# KiCad board armory.kicad_pcb (continued)
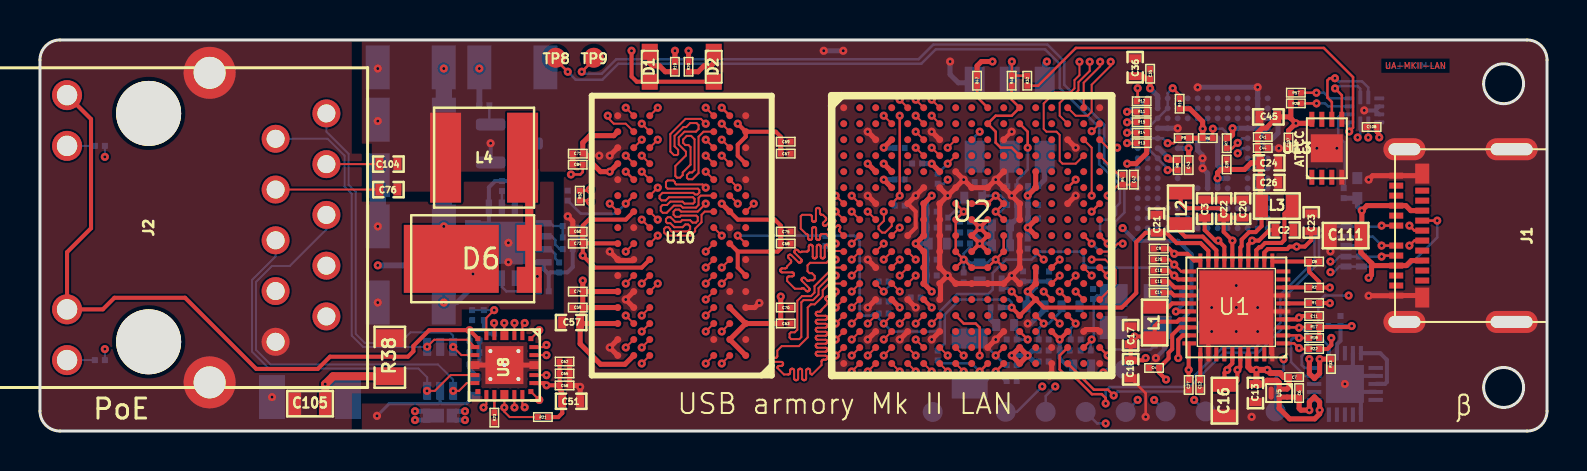
[diagram p0: board, top side]
## Routing (per net, layer and track width the routed paths; a pad name or vN(x,y) marks a point on that pad's centre or on a via; arc(x,y) is an arc through that point) (continued)
/DDR/DRAM_RESET_B: length 17.1
  TOP w0.1: U2.G4 v1(42.99,11.78)
  TOP w0.127: v1(42.99,11.78) v1(42.99,15.78) ; U10.T2 v1(34.09,16.18)
  SIGNAL_1 w0.127: v1(42.99,15.78) 42.59,15.38 41.24,15.38 40.99,15.13 40.99,13.98 40.78,13.77 39.01,13.77 36.6,16.18 v1(34.09,16.18)
  BOTTOM w0.127: v1(42.99,11.78) 42.74,11.53 R50.1
/DDR/DRAM_SDBA0: length 34
  TOP w0.1: U2.M1 39.47,7.38 39.14,7.05 39.14,6.74 38.74,6.34 38.55,6.34 38.39,6.18 38.39,4.69 37.95,4.25 37.09,4.25 36.87,4.03 36.87,3.76 36.87,3.74 36.86,3.72 36.85,3.7 36.84,3.68 36.82,3.67 36.8,3.66 36.77,3.66 36.68,3.66 36.66,3.66 36.64,3.65 36.62,3.64 36.61,3.62 36.59,3.6 36.59,3.58 36.58,3.56 36.59,3.54 36.59,3.52 36.61,3.5 36.62,3.48 36.64,3.47 36.66,3.46 36.68,3.46 37.06,3.46 37.09,3.46 37.11,3.45 37.13,3.44 37.14,3.42 37.15,3.4 37.16,3.38 37.16,3.36 37.16,3.34 37.15,3.32 37.14,3.3 37.13,3.28 37.11,3.27 37.09,3.26 37.06,3.26 36.97,3.26 36.95,3.26 36.93,3.25 36.91,3.24 36.9,3.22 36.88,3.2 36.88,3.18 36.87,3.16 37.2,2.83 37.41,2.83 37.44,2.83 37.46,2.84 37.48,2.85 37.49,2.87 37.5,2.89 37.51,2.91 37.51,2.93 37.51,3.02 37.52,3.04 37.52,3.06 37.54,3.08 37.55,3.1 37.57,3.11 37.59,3.12 37.61,3.12 37.64,3.12 37.66,3.11 37.68,3.1 37.69,3.08 37.7,3.06 37.71,3.04 37.71,3.02 37.71,2.64 37.72,2.62 37.72,2.6 37.74,2.58 37.75,2.56 37.77,2.55 37.79,2.54 37.81,2.54 37.84,2.54 37.86,2.55 37.88,2.56 37.89,2.58 37.9,2.6 37.91,2.62 37.91,2.64 37.91,3.02 37.92,3.04 37.92,3.06 37.94,3.08 37.95,3.1 37.97,3.11 37.99,3.12 38.01,3.12 38.04,3.12 38.06,3.11 38.08,3.1 38.09,3.08 38.1,3.06 38.11,3.04 38.11,3.02 38.11,2.64 38.12,2.62 38.12,2.6 38.14,2.58 38.15,2.56 38.17,2.55 38.19,2.54 38.21,2.54 38.24,2.54 38.26,2.55 38.28,2.56 38.29,2.58 38.3,2.6 38.31,2.62 38.31,2.64 38.31,3.02 38.32,3.04 38.32,3.06 38.34,3.08 38.35,3.1 38.37,3.11 38.39,3.12 38.41,3.12 38.44,3.12 38.46,3.11 38.48,3.1 38.49,3.08 38.5,3.06 38.51,3.04 38.51,3.02 38.51,2.93 38.52,2.91 38.52,2.89 38.54,2.87 38.55,2.85 38.57,2.84 38.59,2.83 38.61,2.83 39.08,3.3 39.08,3.47 39.09,3.49 39.09,3.51 39.11,3.53 39.12,3.55 39.14,3.56 39.16,3.57 39.18,3.57 39.27,3.57 39.3,3.57 39.32,3.58 39.34,3.59 39.35,3.61 39.36,3.63 39.37,3.65 39.37,3.67 39.37,3.69 39.36,3.71 39.35,3.73 39.34,3.75 39.32,3.76 39.3,3.77 39.27,3.77 38.89,3.77 38.87,3.77 38.85,3.78 38.83,3.79 38.82,3.81 38.8,3.83 38.8,3.85 38.79,3.87 38.8,3.89 38.8,3.91 38.82,3.93 38.83,3.95 38.85,3.96 38.87,3.97 38.89,3.97 39.27,3.97 39.3,3.97 39.32,3.98 39.34,3.99 39.35,4.01 39.36,4.03 39.37,4.05 39.37,4.07 39.37,4.09 39.36,4.11 39.35,4.13 39.34,4.15 39.32,4.16 39.3,4.17 39.27,4.17 38.89,4.17 38.87,4.17 38.85,4.18 38.83,4.19 38.82,4.21 38.8,4.23 38.8,4.25 38.79,4.27 38.8,4.29 38.8,4.31 38.82,4.33 38.83,4.35 38.85,4.36 38.87,4.37 38.89,4.37 39.27,4.37 39.3,4.37 39.32,4.38 39.34,4.39 39.35,4.41 39.36,4.43 39.37,4.45 39.37,4.47 39.37,4.49 39.36,4.51 39.35,4.53 39.34,4.55 39.32,4.56 39.3,4.57 39.27,4.57 38.89,4.57 38.87,4.57 38.85,4.58 38.83,4.59 38.82,4.61 38.8,4.63 38.8,4.65 38.79,4.67 38.8,4.69 38.8,4.71 38.82,4.73 38.83,4.75 38.85,4.76 38.87,4.77 38.89,4.77 39.27,4.77 39.3,4.77 39.32,4.78 39.34,4.79 39.35,4.81 39.36,4.83 39.37,4.85 39.37,4.87 39.37,4.89 39.36,4.91 39.35,4.93 39.34,4.95 39.32,4.96 39.3,4.97 39.27,4.97 38.89,4.97 38.87,4.97 38.85,4.98 38.83,4.99 38.82,5.01 38.8,5.03 38.8,5.05 38.79,5.07 38.8,5.09 38.8,5.11 38.82,5.13 38.83,5.15 38.85,5.16 38.87,5.17 38.89,5.17 39.27,5.17 39.3,5.17 39.32,5.18 39.34,5.19 39.35,5.21 39.36,5.23 39.37,5.25 39.37,5.27 39.37,5.29 39.36,5.31 39.35,5.33 39.34,5.35 39.32,5.36 39.3,5.37 39.27,5.37 38.89,5.37 38.87,5.37 38.85,5.38 38.83,5.39 38.82,5.41 38.8,5.43 38.8,5.45 38.79,5.47 38.8,5.49 38.8,5.51 38.82,5.53 38.83,5.55 38.85,5.56 38.87,5.57 38.89,5.57 39.27,5.57 39.3,5.57 39.32,5.58 39.34,5.59 39.35,5.61 39.36,5.63 39.37,5.65 39.37,5.67 39.37,5.69 39.36,5.71 39.35,5.73 39.34,5.75 39.32,5.76 39.3,5.77 39.27,5.77 38.89,5.77 38.87,5.77 38.85,5.78 38.83,5.79 38.82,5.81 38.8,5.83 38.8,5.85 38.79,5.87 38.8,5.89 38.8,5.91 38.82,5.93 38.83,5.95 38.85,5.96 38.87,5.97 38.89,5.97 38.98,5.97 39.01,5.97 39.03,5.98 39.05,5.99 39.06,6.01 39.07,6.03 39.08,6.05 39.08,6.07 39.37,6.36 39.38,6.37 39.39,6.39 39.4,6.42 39.4,6.44 39.39,6.46 39.38,6.48 39.37,6.5 39.31,6.56 39.29,6.58 39.28,6.6 39.28,6.62 39.28,6.64 39.28,6.67 39.29,6.69 39.31,6.7 39.32,6.72 39.34,6.73 39.37,6.73 39.39,6.73 39.41,6.73 39.43,6.72 39.45,6.7 39.51,6.64 39.53,6.63 39.55,6.62 39.57,6.61 39.59,6.61 39.62,6.62 39.64,6.63 39.65,6.64 39.79,6.78 v1(39.79,6.98) ; U10.M2 v1(34.89,12.18)
  SIGNAL_2 w0.1: v1(34.89,12.18) 35.92,12.18 36.57,11.53 36.57,9.35 36.12,8.9 36.12,8.49 36.25,8.36 37.29,8.36 37.44,8.21 37.44,6.65 37.58,6.51 38.17,6.51 38.64,6.98 v1(39.79,6.98)
/DDR/DRAM_SDBA1: length 33.3
  TOP w0.1: v1(39.79,10.98) U2.H1 ; U10.N8 v1(29.29,13.78)
  SIGNAL_2 w0.1: v1(39.79,10.98) 39.52,10.98 39.09,11.41 39.09,12.75 38.29,13.56 38.29,13.98 38.29,14.01 38.3,14.03 38.31,14.05 38.33,14.06 38.35,14.07 38.37,14.08 38.39,14.08 38.48,14.08 38.51,14.09 38.53,14.09 38.55,14.11 38.56,14.12 38.57,14.14 38.58,14.16 38.58,14.18 38.58,14.21 38.57,14.23 38.56,14.25 38.55,14.26 38.53,14.27 38.51,14.28 38.48,14.28 38.39,14.28 38.37,14.29 38.35,14.29 38.33,14.31 38.31,14.32 38.3,14.34 38.29,14.36 38.29,14.38 38.29,14.41 38.3,14.43 38.31,14.45 38.33,14.46 38.35,14.47 38.37,14.48 38.39,14.48 38.48,14.48 38.51,14.49 38.53,14.49 38.55,14.51 38.56,14.52 38.57,14.54 38.58,14.56 38.58,14.58 38.58,14.61 38.57,14.63 38.56,14.65 38.55,14.66 38.53,14.67 38.51,14.68 38.48,14.68 38.39,14.68 38.37,14.69 38.35,14.69 38.33,14.71 38.31,14.72 38.3,14.74 38.29,14.76 38.29,14.78 38.29,14.81 38.3,14.83 38.31,14.85 38.33,14.86 38.35,14.87 38.37,14.88 38.39,14.88 38.48,14.88 38.51,14.89 38.53,14.89 38.55,14.91 38.56,14.92 38.57,14.94 38.58,14.96 38.58,14.98 38.58,15.01 38.57,15.03 38.56,15.05 38.55,15.06 38.53,15.07 38.51,15.08 38.48,15.08 38.39,15.08 38.37,15.09 38.35,15.09 38.33,15.11 38.31,15.12 38.3,15.14 38.29,15.16 38.29,15.18 38.29,15.38 38.17,15.51 38.15,15.52 38.14,15.54 38.14,15.57 38.14,15.59 38.14,15.61 38.15,15.63 38.17,15.65 38.34,15.82 38.35,15.84 38.36,15.86 38.37,15.88 38.37,15.9 38.36,15.92 38.35,15.94 38.34,15.96 38.32,15.98 38.3,15.99 38.28,15.99 38.26,15.99 38.23,15.99 38.21,15.98 38.2,15.96 37.85,15.62 37.84,15.6 37.81,15.59 37.79,15.59 37.77,15.59 37.75,15.59 37.73,15.6 37.71,15.62 37.7,15.64 37.69,15.66 37.68,15.68 37.68,15.7 37.69,15.72 37.7,15.74 37.71,15.76 38.06,16.1 38.07,16.12 38.08,16.14 38.08,16.16 38.08,16.19 38.08,16.21 38.07,16.23 38.06,16.25 38.04,16.26 38.02,16.27 38,16.27 37.97,16.27 37.95,16.27 37.93,16.26 37.91,16.25 37.57,15.9 37.55,15.89 37.53,15.88 37.51,15.87 37.49,15.87 37.47,15.88 37.45,15.89 37.43,15.9 37.41,15.92 37.4,15.94 37.4,15.96 37.4,15.98 37.4,16 37.41,16.02 37.43,16.04 37.77,16.39 37.79,16.4 37.8,16.42 37.8,16.45 37.8,16.47 37.8,16.49 37.79,16.51 37.77,16.53 37.76,16.54 37.74,16.55 37.71,16.56 37.69,16.56 37.67,16.55 37.65,16.54 37.63,16.53 37.29,16.18 37.27,16.17 37.25,16.16 37.23,16.15 37.21,16.15 37.18,16.16 37.16,16.17 37.15,16.18 37.13,16.2 37.12,16.22 37.12,16.24 37.12,16.27 37.12,16.29 37.13,16.31 37.15,16.32 37.35,16.53 37.36,16.55 37.37,16.57 37.38,16.59 37.38,16.61 37.37,16.63 37.36,16.65 37.35,16.67 37.33,16.68 37.31,16.69 37.29,16.7 37.27,16.7 37.24,16.69 37.22,16.68 37.21,16.67 37,16.47 36.99,16.45 36.97,16.44 36.94,16.44 36.92,16.44 36.9,16.44 36.88,16.45 36.86,16.47 36.85,16.48 36.84,16.5 36.83,16.53 36.83,16.55 36.84,16.57 36.85,16.59 36.86,16.61 36.89,16.64 36.91,16.66 36.92,16.68 36.92,16.7 36.92,16.72 36.92,16.74 36.91,16.76 36.89,16.78 35.79,16.78 35.78,16.78 35.77,16.78 35.76,16.79 35.75,16.8 35.75,16.81 35.74,16.82 35.74,16.84 35.74,16.85 35.73,16.86 35.72,16.87 35.72,16.88 35.7,16.88 35.69,16.88 35.59,16.88 35.58,16.88 35.57,16.88 35.56,16.87 35.55,16.86 35.55,16.85 35.54,16.84 35.54,16.82 35.54,16.81 35.53,16.8 35.52,16.79 35.52,16.78 35.5,16.78 35.49,16.78 35.47,16.78 35.45,16.79 35.43,16.8 35.42,16.82 35.4,16.84 35.4,16.86 35.39,16.88 35.39,17.07 35.39,17.1 35.38,17.12 35.37,17.14 35.36,17.15 35.34,17.16 35.32,17.17 35.29,17.17 35.27,17.17 35.25,17.16 35.23,17.15 35.22,17.14 35.2,17.12 35.2,17.1 35.19,17.07 35.19,16.88 35.19,16.86 35.18,16.84 35.17,16.82 35.16,16.8 35.14,16.79 35.12,16.78 35.09,16.78 35.07,16.78 35.05,16.79 35.03,16.8 35.02,16.82 35,16.84 35,16.86 34.99,16.88 34.99,17.07 34.99,17.1 34.98,17.12 34.97,17.14 34.96,17.15 34.94,17.16 34.92,17.17 34.89,17.17 34.87,17.17 34.85,17.16 34.83,17.15 34.82,17.14 34.8,17.12 34.8,17.1 34.79,17.07 34.79,16.88 34.79,16.86 34.78,16.84 34.77,16.82 34.76,16.8 34.74,16.79 34.72,16.78 34.69,16.78 34.67,16.78 34.65,16.79 34.63,16.8 34.62,16.82 34.6,16.84 34.6,16.86 34.59,16.88 34.59,17.07 34.59,17.1 34.58,17.12 34.57,17.14 34.56,17.15 34.54,17.16 34.52,17.17 34.49,17.17 34.47,17.17 34.45,17.16 34.43,17.15 34.42,17.14 34.4,17.12 34.4,17.1 34.39,17.07 34.39,16.88 34.39,16.86 34.38,16.84 34.37,16.82 34.36,16.8 34.34,16.79 34.32,16.78 34.29,16.78 34.27,16.78 34.25,16.79 34.23,16.8 34.22,16.82 34.2,16.84 34.2,16.86 34.19,16.88 34.19,17.07 34.19,17.1 34.18,17.12 34.17,17.14 34.16,17.15 34.14,17.16 34.12,17.17 34.09,17.17 34.07,17.17 34.05,17.16 34.03,17.15 34.02,17.14 34,17.12 34,17.1 33.99,17.07 33.99,16.88 33.99,16.86 33.98,16.84 33.97,16.82 33.96,16.8 33.94,16.79 33.92,16.78 33.89,16.78 33.87,16.78 33.85,16.79 33.83,16.8 33.82,16.82 33.8,16.84 33.8,16.86 33.79,16.88 33.79,17.07 33.79,17.1 33.78,17.12 33.77,17.14 33.76,17.15 33.74,17.16 33.72,17.17 33.69,17.17 33.67,17.17 33.65,17.16 33.63,17.15 33.62,17.14 33.6,17.12 33.6,17.1 33.59,17.07 33.59,16.88 33.59,16.86 33.58,16.84 33.57,16.82 33.56,16.8 33.54,16.79 33.52,16.78 33.49,16.78 33.47,16.78 33.45,16.79 33.43,16.8 33.42,16.82 33.4,16.84 33.4,16.86 33.39,16.88 33.39,17.07 33.39,17.1 33.38,17.12 33.37,17.14 33.36,17.15 33.34,17.16 33.32,17.17 33.29,17.17 33.27,17.17 33.25,17.16 33.23,17.15 33.22,17.14 33.2,17.12 33.2,17.1 33.19,17.07 33.19,16.64 33.19,16.61 33.18,16.59 33.17,16.57 33.16,16.56 33.14,16.55 33.12,16.54 33.09,16.54 33.07,16.54 33.05,16.55 33.03,16.56 33.02,16.57 33,16.59 33,16.61 32.99,16.64 32.99,17.07 32.99,17.1 32.98,17.12 32.97,17.14 32.96,17.15 32.94,17.16 32.92,17.17 32.89,17.17 32.87,17.17 32.85,17.16 32.83,17.15 32.82,17.14 32.8,17.12 32.8,17.1 32.79,17.07 32.79,16.59 32.79,16.56 32.78,16.54 32.77,16.52 32.76,16.51 32.74,16.5 32.72,16.49 32.69,16.49 32.67,16.49 32.65,16.5 32.63,16.51 32.62,16.52 32.6,16.54 32.6,16.56 32.59,16.59 32.59,16.68 32.59,16.7 32.58,16.72 32.57,16.74 32.56,16.76 32.54,16.77 32.52,16.78 32.49,16.78 32.24,16.78 32.16,16.7 32.15,16.68 32.14,16.66 32.13,16.64 32.13,16.61 32.14,16.59 32.15,16.57 32.16,16.55 32.33,16.38 32.35,16.36 32.36,16.34 32.36,16.32 32.36,16.3 32.36,16.28 32.35,16.26 32.33,16.24 32.31,16.23 32.29,16.22 32.27,16.21 32.25,16.21 32.23,16.22 32.21,16.23 32.19,16.24 31.7,16.73 31.69,16.74 31.67,16.75 31.64,16.76 31.62,16.76 31.6,16.75 31.58,16.74 31.56,16.73 31.55,16.71 31.54,16.69 31.53,16.67 31.53,16.64 31.54,16.62 31.55,16.6 31.56,16.59 32.05,16.1 32.06,16.08 32.07,16.06 32.08,16.04 32.08,16.02 32.07,16 32.06,15.98 32.05,15.96 32.03,15.94 32.01,15.93 31.99,15.93 31.97,15.93 31.94,15.93 31.92,15.94 31.91,15.96 31.73,16.13 31.72,16.14 31.7,16.15 31.68,16.16 31.65,16.16 31.63,16.15 31.61,16.14 31.59,16.13 31.59,15.83 31.29,15.53 31.29,15.38 31.29,15.36 31.28,15.33 31.27,15.32 31.26,15.3 31.24,15.29 31.22,15.28 31.18,15.28 31.15,15.27 31.14,15.26 31.12,15.24 31.11,15.23 31.1,15.2 31.1,15.18 31.1,15.18 31.1,15.16 31.11,15.13 31.12,15.12 31.14,15.1 31.15,15.09 31.18,15.08 31.2,15.08 31.64,15.08 31.66,15.08 31.68,15.07 31.7,15.06 31.72,15.04 31.73,15.02 31.73,15 31.74,14.98 31.73,14.96 31.73,14.94 31.72,14.92 31.7,14.9 31.68,14.89 31.66,14.88 31.64,14.88 31.39,14.88 31.37,14.88 31.35,14.87 31.33,14.86 31.32,14.84 31.3,14.82 31.3,14.8 31.29,14.78 31.3,14.76 31.3,14.74 31.32,14.72 31.33,14.7 31.35,14.69 31.37,14.68 31.39,14.68 31.64,14.68 31.66,14.68 31.68,14.67 31.7,14.66 31.72,14.64 31.73,14.62 31.73,14.6 31.74,14.58 31.73,14.56 31.73,14.54 31.72,14.52 31.7,14.5 31.68,14.49 31.66,14.48 31.64,14.48 31.39,14.48 31.37,14.48 31.35,14.47 31.33,14.46 31.32,14.44 31.3,14.42 31.3,14.4 31.29,14.38 31.09,14.18 30.75,14.18 30.74,14.18 30.73,14.18 30.72,14.19 30.71,14.2 30.7,14.21 30.7,14.22 30.7,14.24 30.69,14.25 30.69,14.26 30.68,14.27 30.67,14.28 30.66,14.28 30.65,14.28 30.55,14.28 30.54,14.28 30.53,14.28 30.52,14.27 30.51,14.26 30.5,14.25 30.5,14.24 30.5,14.23 30.5,14.18 30.5,14.18 30.5,14.11 30.49,14.09 30.49,14.08 30.48,14.06 30.47,14.05 30.45,14.04 30.44,14.04 30.42,14.04 30.37,14.04 30.35,14.04 30.34,14.04 30.32,14.05 30.31,14.06 30.3,14.08 30.3,14.09 30.29,14.12 30.29,14.14 30.28,14.15 30.27,14.16 30.25,14.17 30.24,14.18 29.69,14.18 v1(29.29,13.78)
/DDR/DRAM_SDBA2: length 34
  TOP w0.1: U2.K2 v1(40.59,8.58) ; v1(33.29,12.98) U10.M3
  SIGNAL_2 w0.1: v1(33.29,12.98) 32.65,12.98 32.45,13.18 32.24,13.18 32.01,12.95 32.01,12.47 31.85,12.31 31.85,12.03 31.44,11.62 31.44,11.4 31.84,11.01 32.1,11.01 32.26,10.84 32.56,10.84 32.68,10.96 33.57,10.96 33.73,11.12 33.73,11.61 33.85,11.73 33.85,12.39 34.23,12.77 35.1,12.77 35.29,12.58 36.11,12.58 36.97,11.72 36.97,10.02 37.13,9.86 37.29,9.86 37.43,9.72 37.59,9.72 37.72,9.85 37.89,9.85 37.98,9.76 37.98,9.61 37.87,9.5 37.34,9.5 37.19,9.65 37.08,9.65 36.97,9.54 36.97,9.41 37.06,9.32 37.29,9.32 37.36,9.25 37.56,9.25 37.61,9.3 38.02,9.3 38.14,9.42 38.32,9.42 38.43,9.31 38.43,9.17 38.3,9.04 38.19,9.04 38.14,9.09 37.69,9.09 37.57,8.97 37.35,8.97 37.21,9.11 37.06,9.11 36.96,9.01 36.96,8.88 37.08,8.76 37.66,8.76 37.78,8.88 38.06,8.88 38.15,8.79 38.34,8.79 38.48,8.93 38.62,8.93 38.74,8.81 38.74,8.65 38.57,8.48 38.16,8.48 37.98,8.66 37.85,8.66 37.77,8.57 37.77,8.45 37.94,8.28 38.66,8.28 38.84,8.46 39.12,8.46 39.22,8.36 39.22,8.23 39.09,8.1 38.86,8.1 38.75,7.99 38.24,7.99 38.15,8.08 37.94,8.08 37.84,7.98 37.84,7.79 37.96,7.67 38.12,7.67 38.23,7.78 38.83,7.78 38.95,7.9 39.13,7.9 39.21,7.82 39.21,7.69 39.1,7.58 38.31,7.58 38.2,7.47 37.97,7.47 37.84,7.34 37.84,7.16 37.93,7.07 38.17,7.07 38.48,7.38 39.24,7.38 39.43,7.57 39.43,7.93 39.68,8.18 39.89,8.18 40.29,8.58 v1(40.59,8.58)
/DDR/DRAM_SDCKE0: length 34.6
  TOP w0.1: U2.M3 v1(42.19,6.98) ; v1(28.49,11.38) U10.K9
  SIGNAL_2 w0.1: v1(42.19,6.98) 42.63,6.54 42.63,6.52 42.62,6.5 42.61,6.48 42.6,6.46 42.58,6.45 42.56,6.44 42.51,6.44 42.49,6.43 42.47,6.42 42.46,6.4 42.44,6.38 42.44,6.36 42.43,6.34 42.44,6.32 42.44,6.3 42.46,6.28 42.47,6.26 42.49,6.25 42.51,6.24 42.56,6.24 42.58,6.23 42.6,6.22 42.61,6.2 42.62,6.18 42.63,6.16 42.63,6.14 42.63,6.12 42.62,6.1 42.61,6.08 42.6,6.06 42.58,6.05 42.56,6.04 42.51,6.04 42.49,6.03 42.47,6.02 42.46,6 42.44,5.98 42.44,5.96 42.43,5.94 42.44,5.92 42.44,5.9 42.46,5.88 42.47,5.86 42.49,5.85 42.51,5.84 42.53,5.84 42.63,5.84 42.71,5.84 42.72,5.84 42.74,5.83 42.75,5.82 42.77,5.81 42.78,5.8 42.78,5.78 42.78,5.77 42.78,5.71 42.78,5.7 42.78,5.68 42.77,5.67 42.75,5.66 42.74,5.65 42.72,5.64 42.71,5.64 42.58,5.64 42.57,5.64 42.56,5.64 42.55,5.63 42.54,5.62 42.54,5.61 42.53,5.6 42.53,5.59 42.53,5.49 42.53,5.48 42.54,5.47 42.54,5.46 42.55,5.45 42.56,5.44 42.57,5.44 42.59,5.44 42.61,5.44 42.61,5.43 42.62,5.42 42.63,5.41 42.63,5.4 42.63,5.39 42.63,5.34 42.63,5.33 42.63,5.32 42.62,5.31 42.61,5.3 42.61,5.29 42.59,5.29 42.57,5.29 42.56,5.29 42.55,5.28 42.54,5.27 42.54,5.26 42.53,5.25 42.53,5.24 42.53,5.14 42.53,5.13 42.54,5.12 42.54,5.11 42.55,5.1 42.56,5.09 42.57,5.09 42.58,5.09 42.73,5.09 42.76,5.09 42.78,5.08 42.8,5.07 42.81,5.05 42.82,5.03 42.83,5.01 42.83,4.99 42.83,4.97 42.82,4.95 42.81,4.93 42.8,4.91 42.78,4.9 42.76,4.89 42.73,4.89 42.58,4.89 42.57,4.89 42.56,4.89 42.55,4.88 42.54,4.87 42.54,4.86 42.53,4.85 42.53,4.84 42.53,4.74 42.53,4.73 42.54,4.72 42.54,4.71 42.55,4.7 42.56,4.69 42.57,4.69 42.59,4.69 42.61,4.69 42.61,4.68 42.62,4.67 42.63,4.66 42.63,4.65 42.63,4.64 42.63,4.46 42.35,4.18 42.07,4.18 42.06,4.18 42.05,4.18 42.04,4.19 42.03,4.2 42.03,4.21 42.02,4.22 42.02,4.24 42.02,4.25 42.01,4.26 42,4.27 42,4.28 41.98,4.28 41.97,4.28 41.87,4.28 41.86,4.28 41.85,4.28 41.84,4.27 41.83,4.26 41.83,4.25 41.82,4.24 41.82,4.23 41.82,4.11 41.82,4.09 41.82,4.07 41.81,4.06 41.8,4.05 41.78,4.04 41.77,4.03 41.75,4.03 41.7,4.03 41.68,4.03 41.67,4.04 41.65,4.05 41.64,4.06 41.63,4.07 41.63,4.09 41.62,4.12 41.62,4.14 41.61,4.15 41.6,4.16 41.58,4.17 41.57,4.18 41.55,4.18 41.25,4.18 41.23,4.18 41.21,4.19 41.19,4.2 41.17,4.22 41.16,4.24 41.15,4.26 41.15,4.3 41.14,4.32 41.13,4.34 41.11,4.36 41.09,4.37 41.07,4.38 41.05,4.38 41.03,4.38 41.01,4.37 40.99,4.36 40.97,4.34 40.96,4.32 40.95,4.3 40.95,4.28 40.95,4.18 40.95,4.18 40.95,4.13 40.95,4.12 40.94,4.11 40.94,4.1 40.93,4.09 40.92,4.08 40.91,4.08 40.9,4.08 40.8,4.08 40.79,4.08 40.78,4.08 40.77,4.09 40.76,4.1 40.75,4.11 40.75,4.12 40.75,4.14 40.74,4.15 40.74,4.16 40.73,4.17 40.72,4.18 40.71,4.18 40.7,4.18 40.39,4.18 40.19,3.98 40.19,3.38 39.82,3.01 39.8,3.01 39.78,3.02 39.76,3.03 39.74,3.05 39.73,3.07 39.72,3.09 39.72,3.13 39.71,3.15 39.7,3.17 39.68,3.19 39.66,3.2 39.64,3.21 39.62,3.21 39.6,3.21 39.58,3.2 39.56,3.19 39.54,3.17 39.53,3.15 39.52,3.13 39.52,3.09 39.51,3.07 39.5,3.05 39.48,3.03 39.46,3.02 39.44,3.01 39.42,3.01 39.4,3.01 39.38,3.02 39.36,3.03 39.34,3.05 39.33,3.07 39.32,3.09 39.32,3.13 39.31,3.15 39.3,3.17 39.28,3.19 39.26,3.2 39.24,3.21 39.22,3.21 39.2,3.21 39.18,3.2 39.16,3.19 39.14,3.17 39.13,3.15 39.12,3.13 39.12,3.09 39.11,3.07 39.1,3.05 39.08,3.03 39.06,3.02 39.04,3.01 39.02,3.01 39,3.01 38.98,3.02 38.96,3.03 38.94,3.05 38.93,3.07 38.92,3.09 38.92,3.13 38.91,3.15 38.9,3.17 38.88,3.19 38.86,3.2 38.84,3.21 38.82,3.21 38.8,3.21 38.78,3.2 38.76,3.19 38.74,3.17 38.73,3.15 38.72,3.13 38.72,3.09 38.71,3.07 38.7,3.05 38.68,3.03 38.66,3.02 38.64,3.01 38.62,3.01 38.6,3.01 38.58,3.02 38.56,3.03 38.54,3.05 38.53,3.07 38.52,3.09 38.52,3.13 38.51,3.15 38.5,3.17 38.48,3.19 38.46,3.2 38.44,3.21 38.42,3.21 38.4,3.21 38.38,3.2 38.36,3.19 38.34,3.17 38.33,3.15 38.32,3.13 38.32,3.09 38.31,3.07 38.3,3.05 38.28,3.03 38.26,3.02 38.24,3.01 38.22,3.01 38.2,3.01 38.18,3.02 38.16,3.03 38.14,3.05 38.13,3.07 38.12,3.09 38.12,3.13 38.11,3.15 38.1,3.17 38.08,3.19 38.06,3.2 38.04,3.21 38.02,3.21 38,3.21 37.98,3.2 37.96,3.19 37.94,3.17 37.93,3.15 37.92,3.13 37.92,3.09 37.91,3.07 37.9,3.05 37.88,3.03 37.86,3.02 37.84,3.01 37.82,3.01 37.8,3.01 37.78,3.02 37.76,3.03 37.74,3.05 37.73,3.07 37.72,3.09 37.72,3.13 37.71,3.15 37.7,3.17 37.68,3.19 37.66,3.2 37.64,3.21 37.62,3.21 37.6,3.21 37.58,3.2 37.56,3.19 37.54,3.17 37.53,3.15 37.52,3.13 37.52,3.09 37.51,3.07 37.5,3.05 37.48,3.03 37.46,3.02 37.44,3.01 37.42,3.01 37.4,3.01 37.38,3.02 37.36,3.03 37.34,3.05 37.33,3.07 37.32,3.09 37.32,3.13 37.31,3.15 37.3,3.17 37.28,3.19 37.26,3.2 37.24,3.21 37.22,3.21 37.2,3.21 37.18,3.2 37.16,3.19 37.14,3.17 37.13,3.15 37.12,3.13 37.12,3.09 37.11,3.07 37.1,3.05 37.08,3.03 37.06,3.02 37.04,3.01 37.02,3.01 37,3.01 36.98,3.02 36.96,3.03 36.94,3.05 36.93,3.07 36.92,3.09 36.92,3.13 36.91,3.15 36.9,3.17 36.88,3.19 36.86,3.2 36.84,3.21 36.82,3.21 36.8,3.21 36.78,3.2 36.76,3.19 36.74,3.17 36.73,3.15 36.72,3.13 36.72,3.09 36.71,3.07 36.7,3.05 36.68,3.03 36.66,3.02 36.64,3.01 36.62,3.01 36.6,3.01 36.58,3.02 36.56,3.03 36.54,3.05 36.53,3.07 36.52,3.09 36.52,3.13 36.51,3.15 36.5,3.17 36.48,3.19 36.46,3.2 36.44,3.21 36.42,3.21 36.4,3.21 36.38,3.2 36.36,3.19 36.34,3.17 36.33,3.15 36.32,3.13 36.32,3.09 36.31,3.07 36.3,3.05 36.28,3.03 36.26,3.02 36.24,3.01 36.22,3.01 36.2,3.01 36.18,3.02 36.16,3.03 36.14,3.05 36.13,3.07 36.12,3.09 36.12,3.13 36.11,3.15 36.1,3.17 36.08,3.19 36.06,3.2 36.04,3.21 36.02,3.21 36,3.21 35.98,3.2 35.96,3.19 35.94,3.17 35.93,3.15 35.92,3.13 35.92,3.09 35.91,3.07 35.9,3.05 35.88,3.03 35.86,3.02 35.84,3.01 35.82,3.01 35.8,3.01 35.78,3.02 35.76,3.03 35.74,3.05 35.73,3.07 35.72,3.09 35.72,3.13 35.71,3.15 35.7,3.17 35.68,3.19 35.66,3.2 35.64,3.21 35.62,3.21 35.6,3.21 35.58,3.2 35.56,3.19 35.54,3.17 35.53,3.15 35.52,3.13 35.52,3.09 35.51,3.07 35.5,3.05 35.48,3.03 35.46,3.02 35.44,3.01 35.42,3.01 35.4,3.01 35.38,3.02 35.36,3.03 35.34,3.05 35.33,3.07 35.32,3.09 35.32,3.13 35.31,3.15 35.3,3.17 35.28,3.19 35.26,3.2 35.24,3.21 35.22,3.21 35.2,3.21 35.18,3.2 35.16,3.19 35.14,3.17 35.13,3.15 35.12,3.13 35.12,3.09 35.11,3.07 35.1,3.05 35.08,3.03 35.06,3.02 35.04,3.01 35.02,3.01 35,3.01 34.98,3.02 34.96,3.03 34.94,3.05 34.93,3.07 34.92,3.09 34.92,3.13 34.91,3.15 34.9,3.17 34.88,3.19 34.86,3.2 34.84,3.21 34.82,3.21 34.8,3.21 34.78,3.2 34.76,3.19 34.74,3.17 34.73,3.15 34.72,3.13 34.72,3.09 34.71,3.07 34.7,3.05 34.68,3.03 34.66,3.02 34.64,3.01 34.62,3.01 34.6,3.01 34.59,3.02 34.57,3.03 34.56,3.04 34.55,3.05 34.55,3.07 34.54,3.1 34.54,3.12 34.53,3.13 34.52,3.14 34.5,3.15 34.49,3.16 34.47,3.16 34.42,3.16 34.4,3.16 34.39,3.15 34.37,3.14 34.36,3.13 34.35,3.12 34.35,3.1 34.34,3.07 34.34,3.05 34.33,3.04 34.32,3.03 34.3,3.02 34.29,3.01 34.27,3.01 33.92,3.01 33.9,3.01 33.88,3.02 33.86,3.03 33.84,3.05 33.83,3.07 33.82,3.09 33.82,3.13 33.81,3.15 33.8,3.17 33.78,3.19 33.76,3.2 33.74,3.21 33.72,3.21 33.7,3.21 33.68,3.2 33.66,3.19 33.64,3.17 33.63,3.15 33.62,3.13 33.62,3.09 33.61,3.07 33.6,3.05 33.58,3.03 33.56,3.02 33.54,3.01 33.52,3.01 33.12,3.01 33.1,3.01 33.08,3.02 33.06,3.03 33.04,3.05 33.03,3.07 33.02,3.09 33.02,3.13 33.01,3.15 33,3.17 32.98,3.19 32.96,3.2 32.94,3.21 32.92,3.21 32.9,3.21 32.88,3.2 32.86,3.19 32.84,3.17 32.83,3.15 32.82,3.13 32.82,3.09 32.81,3.07 32.8,3.05 32.78,3.03 32.76,3.02 32.74,3.01 32.72,3.01 32.7,3.01 32.68,3.02 32.66,3.03 32.64,3.05 32.63,3.07 32.62,3.09 32.62,3.13 32.61,3.15 32.6,3.17 32.58,3.19 32.56,3.2 32.54,3.21 32.52,3.21 32.5,3.21 32.48,3.2 32.46,3.19 32.44,3.17 32.43,3.15 32.42,3.13 32.42,3.09 32.41,3.07 32.4,3.05 32.38,3.03 32.36,3.02 32.34,3.01 32.32,3.01 32.3,3.01 32.28,3.02 32.26,3.03 32.24,3.05 32.23,3.07 32.22,3.09 32.22,3.13 32.21,3.15 32.2,3.17 32.18,3.19 32.16,3.2 32.14,3.21 32.12,3.21 32.1,3.21 32.08,3.2 32.06,3.19 32.04,3.17 32.03,3.15 32.02,3.13 32.02,3.09 32.01,3.07 32,3.05 31.98,3.03 31.96,3.02 31.94,3.01 31.92,3.01 31.5,3.01 31.49,3.03 31.48,3.05 31.47,3.07 31.47,3.09 31.48,3.11 31.49,3.13 31.52,3.17 31.53,3.19 31.53,3.21 31.53,3.23 31.53,3.25 31.52,3.27 31.5,3.29 31.49,3.31 31.47,3.32 31.44,3.32 31.42,3.32 31.4,3.32 31.38,3.31 31.34,3.28 31.32,3.27 31.3,3.26 31.28,3.26 31.26,3.27 31.24,3.28 31.22,3.29 31.21,3.31 31.2,3.33 31.19,3.35 31.19,3.37 31.2,3.4 31.21,3.42 31.23,3.45 31.24,3.47 31.25,3.49 31.25,3.52 31.24,3.54 31.23,3.56 31.22,3.58 31.2,3.59 31.18,3.6 31.16,3.6 31.14,3.6 31.12,3.6 31.1,3.59 31.06,3.56 31.04,3.55 31.02,3.55 31,3.55 30.98,3.55 30.96,3.56 30.94,3.58 30.73,3.78 30.73,4.26 30.41,4.58 29.85,4.58 29.58,4.85 29.07,4.85 29.06,4.87 29.05,4.89 29.04,4.91 29.04,4.93 29.05,4.95 29.06,4.97 29.08,5.01 29.09,5.03 29.1,5.05 29.1,5.07 29.09,5.09 29.08,5.11 29.07,5.13 29.05,5.15 29.03,5.16 29.01,5.16 28.99,5.16 28.97,5.16 28.95,5.15 28.91,5.12 28.89,5.11 28.87,5.1 28.85,5.1 28.82,5.11 28.8,5.12 28.79,5.13 28.77,5.15 28.76,5.17 28.76,5.19 28.76,5.21 28.76,5.24 28.77,5.26 28.8,5.29 28.81,5.31 28.81,5.33 28.81,5.36 28.81,5.38 28.8,5.4 28.79,5.42 28.77,5.43 28.75,5.44 28.73,5.44 28.7,5.44 28.68,5.44 28.66,5.43 28.63,5.4 28.61,5.39 28.59,5.39 28.56,5.39 28.54,5.39 28.52,5.4 28.5,5.42 28.29,5.63 28.29,5.68 28.3,5.7 28.3,5.72 28.32,5.74 28.33,5.75 28.35,5.77 28.37,5.77 28.42,5.78 28.44,5.79 28.46,5.8 28.47,5.81 28.48,5.83 28.49,5.85 28.49,5.88 28.49,5.9 28.48,5.92 28.47,5.94 28.46,5.95 28.44,5.97 28.42,5.97 28.37,5.98 28.35,5.99 28.33,6 28.32,6.01 28.3,6.03 28.3,6.05 28.29,6.08 28.29,7.9 28.89,8.5 28.89,9.22 28.49,9.62 v1(28.49,11.38)
  BOTTOM w0.1: R31.1 42.44,7.23 v1(42.19,6.98)
/DDR/DRAM_SDCLK0_N: length 38.6
  TOP w0.1: U2.P2 v1(40.59,5.38) ; v1(30.89,10.58) U10.K7
  TOP w0.127: v1(27.49,11.48) 27.44,11.53 R52.1
  SIGNAL_1 w0.1: v1(30.89,10.58) 30.53,10.22 28.75,10.22 v1(27.49,11.48)
  SIGNAL_2 w0.1: v1(30.89,10.58) 30.74,10.73 30.6,10.73 30.51,10.64 30.51,10.2 30.38,10.07 29.96,10.07 29.8,9.91 29.8,8.93 29.91,8.82 30.5,8.82 30.59,8.91 31.49,8.91 31.61,9.03 31.61,9.33 31.69,9.41 32.19,9.41 32.27,9.33 32.27,8.89 32.38,8.78 32.83,8.78 32.93,8.88 32.93,9.25 33.05,9.37 33.39,9.37 33.55,9.53 33.55,10.05 33.65,10.15 34.42,10.15 34.52,10.05 34.52,9.63 34.62,9.53 34.62,9.35 34.45,9.18 34.45,7.91 34.32,7.78 32.88,7.78 32.76,7.9 32.76,8.28 32.66,8.38 30.65,8.38 30.57,8.3 30.57,7.9 30.73,7.74 31.16,7.74 31.28,7.62 31.28,7.13 31.17,7.02 30.2,7.02 30.08,6.9 30.08,6.31 30.47,5.92 30.47,5.65 30.99,5.13 30.99,4.91 31.95,3.95 32.85,3.95 33.14,4.24 34.62,4.24 35.01,3.85 39,3.85 39.42,4.27 39.42,4.83 39.57,4.98 40.19,4.98 v1(40.59,5.38)
/DDR/DRAM_SDCLK0_P: length 38
  TOP w0.1: U10.J7 v1(30.09,10.58) ; v1(39.79,5.38) U2.P1
  TOP w0.127: v1(27.49,12.08) 27.44,12.03 R52.2
  SIGNAL_1 w0.1: v1(27.49,12.08) 27.7,12.08 28.07,11.71 28.07,11.24 28.73,10.58 v1(30.09,10.58)
  SIGNAL_2 w0.1: v1(30.09,10.58) 30.46,10.95 31.04,10.95 31.25,10.74 31.25,10.4 31,10.15 30.75,10.15 30.42,9.82 30.16,9.82 30,9.66 30,9.15 30.11,9.04 30.34,9.04 30.42,9.12 31.31,9.12 31.41,9.22 31.41,9.41 31.61,9.61 32.28,9.61 32.47,9.41 32.47,9.06 32.52,9.01 32.67,9.01 32.73,9.07 32.73,9.33 32.97,9.57 33.19,9.57 33.35,9.73 33.35,10.13 33.57,10.35 34.84,10.35 35.26,9.93 35.26,9.58 35.09,9.41 34.96,9.41 34.65,9.1 34.65,7.44 34.19,6.98 33.14,6.98 32.87,7.25 32.87,7.51 32.56,7.82 32.56,8.02 32.4,8.18 31.37,8.18 31.25,8.06 31.25,7.93 31.48,7.7 31.48,7.05 31.26,6.82 30.46,6.82 30.28,6.64 30.28,6.39 30.67,6 30.67,5.73 31.19,5.21 31.19,4.99 32.04,4.15 32.77,4.15 33.06,4.44 34.71,4.44 35.1,4.05 38.92,4.05 39.22,4.35 39.22,4.92 39.68,5.38 v1(39.79,5.38)
/DDR/DRAM_SDODT0: length 34
  TOP w0.1: v1(35.69,11.38) U10.K1 ; U2.N1 v1(39.79,6.18)
  SIGNAL_2 w0.1: v1(39.79,6.18) 39.48,5.87 39.47,5.86 39.45,5.85 39.42,5.84 39.4,5.84 39.38,5.85 39.36,5.86 39.34,5.87 39.03,6.19 39.01,6.2 38.99,6.21 38.97,6.22 38.94,6.22 38.92,6.21 38.9,6.2 38.88,6.19 38.87,6.17 38.86,6.15 38.86,6.13 38.86,6.1 38.86,6.08 38.87,6.06 38.88,6.04 39.2,5.73 39.21,5.71 39.22,5.69 39.23,5.67 39.23,5.65 39.22,5.62 39.21,5.6 39.2,5.59 38.82,5.21 38.82,5.19 38.81,5.17 38.8,5.15 38.79,5.13 38.77,5.12 38.75,5.11 38.72,5.11 38.28,5.11 38.25,5.11 38.23,5.1 38.21,5.09 38.2,5.07 38.19,5.05 38.18,5.03 38.18,5.01 38.18,4.99 38.19,4.97 38.2,4.95 38.21,4.93 38.23,4.92 38.25,4.91 38.28,4.91 38.72,4.91 38.75,4.91 38.77,4.9 38.79,4.89 38.8,4.87 38.81,4.85 38.82,4.83 38.82,4.81 38.82,4.58 38.69,4.45 38.68,4.45 38.66,4.46 38.65,4.47 38.64,4.48 38.63,4.49 38.62,4.51 38.62,4.54 38.61,4.56 38.6,4.57 38.59,4.58 38.58,4.59 38.56,4.6 38.55,4.6 38.49,4.6 38.48,4.6 38.46,4.59 38.45,4.58 38.44,4.57 38.43,4.56 38.42,4.54 38.42,4.51 38.41,4.49 38.4,4.48 38.39,4.47 38.38,4.46 38.36,4.45 38.35,4.45 38.29,4.45 38.28,4.45 38.26,4.46 38.25,4.47 38.24,4.48 38.23,4.49 38.22,4.51 38.22,4.54 38.21,4.56 38.2,4.57 38.19,4.58 38.18,4.59 38.16,4.6 38.15,4.6 38.09,4.6 38.08,4.6 38.06,4.59 38.05,4.58 38.04,4.57 38.03,4.56 38.02,4.54 38.02,4.51 38.01,4.49 38,4.48 37.99,4.47 37.98,4.46 37.96,4.45 37.95,4.45 37.89,4.45 37.87,4.45 37.85,4.46 37.83,4.47 37.82,4.49 37.8,4.51 37.8,4.53 37.79,4.55 37.79,5 37.79,5.02 37.78,5.04 37.77,5.06 37.76,5.08 37.74,5.09 37.72,5.09 37.69,5.1 37.67,5.09 37.65,5.09 37.63,5.08 37.62,5.06 37.6,5.04 37.6,5.02 37.59,5 37.59,4.55 37.59,4.53 37.58,4.51 37.57,4.49 37.56,4.47 37.54,4.46 37.52,4.45 37.49,4.45 37.47,4.45 37.45,4.46 37.43,4.47 37.42,4.49 37.4,4.51 37.4,4.53 37.39,4.55 37.39,5 37.39,5.02 37.38,5.04 37.37,5.06 37.36,5.08 37.34,5.09 37.32,5.09 37.29,5.1 37.27,5.09 37.25,5.09 37.23,5.08 37.22,5.06 37.2,5.04 37.2,5.02 37.19,5 37.19,4.55 37.19,4.53 37.18,4.51 37.17,4.49 37.16,4.47 37.14,4.46 37.12,4.45 37.09,4.45 37.07,4.45 37.05,4.46 37.03,4.47 37.02,4.49 37,4.51 37,4.53 36.99,4.55 36.99,5 36.99,5.02 36.98,5.04 36.97,5.06 36.96,5.08 36.94,5.09 36.92,5.09 36.89,5.1 36.87,5.09 36.85,5.09 36.83,5.08 36.82,5.06 36.8,5.04 36.8,5.02 36.79,5 36.79,4.55 36.79,4.53 36.78,4.51 36.77,4.49 36.76,4.47 36.74,4.46 36.72,4.45 36.69,4.45 36.67,4.45 36.65,4.46 36.63,4.47 36.62,4.49 36.6,4.51 36.6,4.53 36.59,4.55 36.59,5 36.59,5.02 36.58,5.04 36.57,5.06 36.56,5.08 36.54,5.09 36.52,5.09 36.49,5.1 36.47,5.09 36.45,5.09 36.43,5.08 36.42,5.06 36.4,5.04 36.4,5.02 36.39,5 36.39,4.55 36.39,4.53 36.38,4.51 36.37,4.49 36.36,4.47 36.34,4.46 36.32,4.45 36.29,4.45 36.27,4.45 36.25,4.46 36.23,4.47 36.22,4.49 36.2,4.51 36.2,4.53 36.19,4.55 36.19,5 36.19,5.02 36.18,5.04 36.17,5.06 36.16,5.08 36.14,5.09 36.12,5.09 36.09,5.1 36.07,5.09 36.05,5.09 36.03,5.08 36.02,5.06 36,5.04 36,5.02 35.99,5 35.99,4.55 35.99,4.53 35.98,4.51 35.97,4.49 35.96,4.47 35.94,4.46 35.92,4.45 35.89,4.45 35.87,4.45 35.85,4.46 35.83,4.47 35.82,4.49 35.8,4.51 35.8,4.53 35.79,4.55 35.79,5 35.79,5.02 35.78,5.04 35.77,5.06 35.76,5.08 35.74,5.09 35.72,5.09 35.69,5.1 35.67,5.09 35.65,5.09 35.63,5.08 35.62,5.06 35.6,5.04 35.6,5.02 35.59,5 35.59,4.55 35.59,4.53 35.58,4.51 35.57,4.49 35.56,4.47 35.54,4.46 35.52,4.45 35.49,4.45 35.28,4.45 35.17,4.56 35.16,4.57 35.15,4.59 35.14,4.62 35.14,4.64 35.15,4.66 35.16,4.68 35.17,4.7 35.24,4.77 35.25,4.78 35.26,4.8 35.27,4.83 35.27,4.85 35.26,4.87 35.25,4.89 35.24,4.91 35.22,4.92 35.2,4.93 35.18,4.94 35.16,4.94 35.14,4.93 35.12,4.92 35.1,4.91 35.03,4.84 35.01,4.82 34.99,4.82 34.97,4.81 34.95,4.81 34.93,4.82 34.9,4.82 34.89,4.84 34.72,5 34.72,5.17 34.71,5.19 34.7,5.21 34.69,5.23 34.69,5.25 34.7,5.28 34.71,5.3 34.72,5.31 35.04,5.63 35.05,5.65 35.06,5.67 35.07,5.69 35.07,5.71 35.06,5.73 35.05,5.75 35.04,5.77 35.02,5.79 35,5.8 34.98,5.8 34.96,5.8 34.94,5.8 34.92,5.79 34.9,5.77 34.58,5.46 34.56,5.44 34.54,5.43 34.52,5.43 34.5,5.43 34.48,5.43 34.46,5.44 34.44,5.46 34.13,5.76 34.13,6.26 34.15,6.27 34.17,6.28 34.19,6.29 34.22,6.29 34.24,6.28 34.26,6.27 34.27,6.26 34.52,6.01 34.54,6 34.56,5.99 34.58,5.98 34.6,5.98 34.62,5.99 34.64,6 34.66,6.01 34.68,6.03 34.69,6.05 34.69,6.07 34.69,6.09 34.69,6.12 34.68,6.14 34.66,6.15 34.42,6.4 34.4,6.42 34.39,6.44 34.39,6.46 34.39,6.48 34.39,6.5 34.4,6.52 34.42,6.54 34.43,6.55 34.45,6.56 34.48,6.57 34.5,6.57 34.52,6.56 34.54,6.55 34.56,6.54 34.87,6.22 34.89,6.21 34.91,6.2 34.93,6.19 34.96,6.19 34.98,6.2 35,6.21 35.02,6.22 35.03,6.24 35.04,6.26 35.04,6.28 35.04,6.31 35.04,6.33 35.03,6.35 35.02,6.37 34.7,6.68 34.69,6.7 34.68,6.72 34.67,6.74 34.67,6.76 34.68,6.79 34.69,6.81 34.7,6.82 35.06,7.19 35.07,7.21 35.07,7.23 35.09,7.25 35.1,7.27 35.12,7.28 35.14,7.28 35.16,7.29 35.61,7.29 35.63,7.29 35.65,7.3 35.67,7.31 35.69,7.32 35.7,7.34 35.71,7.36 35.71,7.39 35.71,7.41 35.7,7.43 35.69,7.45 35.67,7.47 35.65,7.48 35.63,7.48 35.61,7.49 35.16,7.49 35.14,7.49 35.12,7.5 35.1,7.51 35.09,7.52 35.07,7.54 35.07,7.56 35.06,7.59 35.07,7.61 35.07,7.63 35.09,7.65 35.1,7.67 35.12,7.68 35.14,7.68 35.16,7.69 35.61,7.69 35.63,7.69 35.65,7.7 35.67,7.71 35.69,7.72 35.7,7.74 35.71,7.76 35.71,7.79 35.71,7.81 35.7,7.83 35.69,7.85 35.67,7.87 35.65,7.88 35.63,7.88 35.61,7.89 35.16,7.89 35.14,7.89 35.12,7.9 35.1,7.91 35.09,7.92 35.07,7.94 35.07,7.96 35.06,7.99 35.07,8.01 35.07,8.03 35.09,8.05 35.1,8.07 35.12,8.08 35.14,8.08 35.16,8.09 35.61,8.09 35.63,8.09 35.65,8.1 35.67,8.11 35.69,8.12 35.7,8.14 35.71,8.16 35.71,8.19 35.71,8.21 35.7,8.23 35.69,8.25 35.67,8.27 35.65,8.28 35.63,8.28 35.61,8.29 35.16,8.29 35.14,8.29 35.12,8.3 35.1,8.31 35.09,8.32 35.07,8.34 35.07,8.36 35.06,8.39 35.06,8.75 35.08,8.76 35.1,8.77 35.12,8.78 35.15,8.78 35.17,8.77 35.19,8.76 35.2,8.75 35.31,8.65 35.33,8.63 35.35,8.62 35.37,8.62 35.39,8.62 35.41,8.62 35.43,8.63 35.45,8.65 35.46,8.66 35.47,8.68 35.48,8.71 35.48,8.73 35.47,8.75 35.46,8.77 35.45,8.79 35.35,8.89 35.33,8.91 35.32,8.93 35.32,8.95 35.32,8.97 35.32,9 35.33,9.02 35.35,9.03 35.66,9.35 35.67,9.37 35.67,9.39 35.69,9.41 35.7,9.43 35.72,9.44 35.74,9.45 35.76,9.45 36.01,9.45 36.03,9.45 36.05,9.46 36.07,9.47 36.09,9.49 36.1,9.51 36.11,9.53 36.11,9.55 36.11,9.57 36.1,9.59 36.09,9.61 36.07,9.63 36.05,9.64 36.03,9.65 36.01,9.65 35.76,9.65 35.74,9.65 35.72,9.66 35.7,9.67 35.69,9.69 35.67,9.71 35.67,9.73 35.66,9.75 35.66,10.1 35.65,10.11 35.64,10.13 35.63,10.16 35.63,10.18 35.64,10.2 35.65,10.22 35.66,10.24 35.98,10.55 35.99,10.57 36,10.59 36.01,10.61 36.01,10.64 36,10.66 35.99,10.68 35.98,10.69 35.96,10.71 35.94,10.72 35.92,10.72 35.9,10.72 35.88,10.72 35.86,10.71 35.84,10.69 35.52,10.38 35.5,10.36 35.48,10.35 35.46,10.35 35.44,10.35 35.42,10.35 35.4,10.36 35.38,10.38 35.14,10.62 35.14,11.11 35.41,11.38 v1(35.69,11.38)